# Altium PCB Bahran_pcb.PcbDoc (part 2 of 2)
Units mm, origin at the board's own origin, x right, y up, seen from the top; angles counter-clockwise.
Board outline 114.17 x 92.76 mm, 2 copper layers (Top Layer, Bottom Layer); 120 components, 74 nets, 376 pads, 645 vias.
Unrouted connection lines stored in the file: 240.
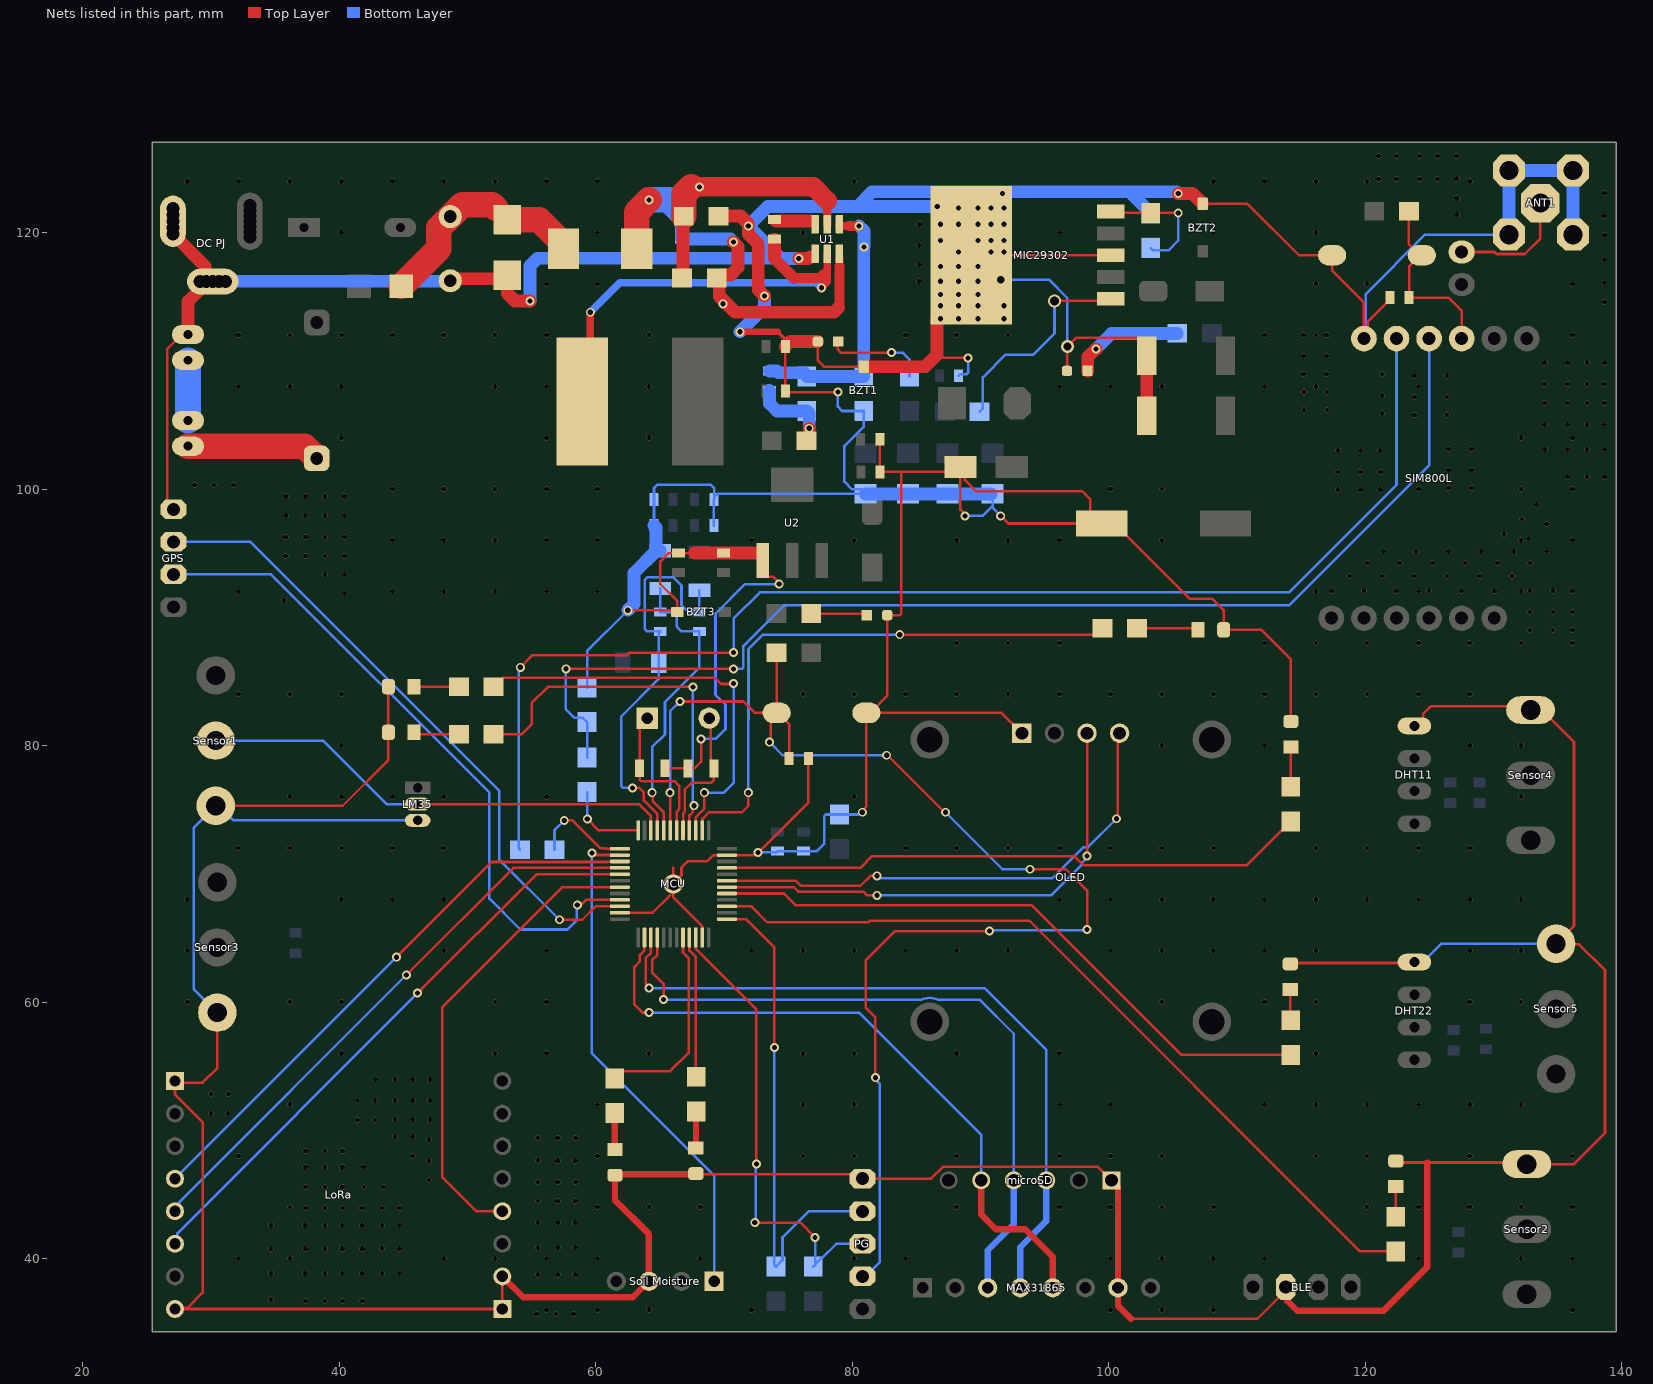
[diagram p2: the nets of this part, all layers, seen from the top]

## Via types
v1: diameter 0.4, hole 0.4, Top Layer to Bottom Layer, tented both sides, 525 vias
v2: diameter 0.7, hole 0.4, Top Layer to Bottom Layer, tented both sides, 107 vias
v3: diameter 1.5, hole 1, Top Layer to Bottom Layer, tented both sides, 5 vias
v4: diameter 1, hole 0.6, Top Layer to Bottom Layer, tented both sides, 5 vias
v5: diameter 1.27, hole 0.711, Top Layer to Bottom Layer, tented both sides, 2 vias
v6: diameter 1, hole 0.7, Top Layer to Bottom Layer, tented both sides, 1 vias

## Nets (pads, with @x,y where several pads share a name; then routed paths per layer and width w, separated by ;. In a path a pad name is that pad's centre, name@x,y a point inside that pad or via, vN(x,y) a via of type N, cw(c..) or ccw(c..) an arc to the next point about the centre after c; other vN are vias at no path point) (continued)
GND: "DC PJ.2" "DC PJ.3" "Soil Moisture.3" ANT1.1 B2.2 BLE.3 BZT1.1 BZT2.1 BZT3.1 C1.1 C2.1 C4.2 C5.2 C7.2 C8.2 C9.2 C10.2 C11.2 C12.2 C13.2 C14.2 C15.2 C16.2 C17.2 C20.2 C21.2 C22.2 C23.- C24.- C25.1 C26.1 C27.1 C28.1 CO1.2 CO2.2 D3.A D4.2 DHT11.GND DHT22.GND FB2.1 GPS.1 LED1.2 LED2.2 LED3.2 LED4.2 LED5.2 LED6.2 LED7.2 LED8.2 LED9.2 LED10.2 LED11.2 LM35.3 LoRa.1 LoRa.2 LoRa.9 LoRa.16 MAX31865.7 MCU.23 MCU.35 MCU.47 MIC29302.3 MIC29302.6 microSD.1 OLED.1 PG.1 R7.2 R8.2 R9.1 R16.2 R29.2 Sensor1.3 Sensor2.3 Sensor3.3 Sensor4.3 Sensor5.3 SIM800L.6 SW1.2 SW2.1 U1.1 U2.1 VR1.1 | length 819.1
  Top Layer w0.2: GPS.1@27.051,98.425 26.59,98.886 26.59,110.944 27.694,112.048 B2.2@28.194,112.048 ; Sensor1.3@30.353,75.311 40.259,75.311 43.815,78.867 43.815,81.018 LED5.2@43.823,81.026 LED4.2@43.823,84.603 ; Sensor3.3@30.48,59.182 30.48,54.864 29.337,53.721 27.305,53.721 LoRa.9@27.178,53.848 27.178,52.796 29.337,50.637 29.337,37.338 28.176,36.177 27.287,36.177 LoRa.16@27.178,36.068 LoRa.1@52.705,36.068 LoRa.2@52.705,38.608 ; MCU.23@61.86,66.965 64.425,66.965 65.786,68.326 ; v2(62.484,90.551) 66.222,90.551 BZT3.1@66.349,90.424 66.349,91.258 65.024,92.583 65.024,94.361 65.678,95.015 C9.2@66.447,95.015 67.691,95.015 ; CO2.2@65.405,78.232 CO1.2@67.199,78.232 67.24,78.273 67.732,78.273 68.199,78.74 v2(68.199,80.518) ; 66.04,70.485 v3@66.04,69.267 ; LED10.2@67.794,46.625 67.852,46.567 80.433,46.567 PG.1@80.772,46.228 86.139,46.228 87.066,47.155 99.149,47.155 microSD.1@100.203,46.101 ; MCU.35@68.29,65.035 68.284,65.041 68.284,65.921 66.04,68.165 v3(66.04,69.215) v3@66.04,69.267 ; v2@72.644,71.628 76.569,75.553 C20.2@76.569,78.994 ; v2(72.644,71.669) 72.55,71.669 72.346,71.465 MCU.47@70.22,71.465 69.159,71.465 68.687,70.993 67.183,70.993 66.675,70.485 66.675,69.902 v3@66.04,69.267 ; U2.1@73.011,94.43 73.011,93.58 73.411,93.18 73.816,93.18 74.295,92.701 v2(74.295,92.598) ; C4.2@74.769,111.125 C5.2@74.769,107.644 74.844,107.569 v2(78.867,107.569) ; LED1.2@77.305,111.506 77.305,110.02 77.779,109.546 BZT1.1@80.891,109.546 ; v2(80.772,74.803) 80.772,74.938 81.097,75.263 SW1.2@81.097,82.55 SW1.2@81.397,82.55 ; C11.2@82.145,103.886 82.145,101.37 C10.2@82.169,101.346 83.82,101.346 ; 86.606,110.482 86.852,110.236 v2(89.027,110.236) ; v2(88.773,97.917) 88.773,98.052 88.424,98.401 D4.2@88.424,101.727 ; MIC29302.6@89.281,118.237 MIC29302.3@100.152,118.237 ; v2(91.567,97.917) 92.164,97.32 C21.2@99.441,97.32 ; OLED.1@93.218,80.969 91.637,82.55 SW1.2@81.397,82.55 ; LED11.2@96.736,109.22 96.755,109.239 96.755,111.106 v4(96.774,111.125) 97.439,111.79 102.299,111.79 102.949,111.14 C23.-@102.949,110.39 ; 101.727,35.306 111.581,35.306 BLE.3@113.792,37.517 ; BZT2.1@107.315,122.246 110.799,122.246 114.808,118.237 SW2.1@117.404,118.237 117.404,117.038 119.888,114.554 SIM800L.6@119.888,111.738 120.173,112.023 120.173,113.038 121.92,114.785 C22.2@121.92,114.935 ; BLE.3@113.792,37.771 BLE.3@113.792,37.517 ; 113.922,36.664 113.922,37.387 BLE.3@113.792,37.517 ; LED6.2@114.149,62.976 114.221,63.048 123.754,63.048 DHT22.GND@123.825,63.119 DHT22.GND@123.642,63.302 ; LED8.2@114.197,81.883 114.197,86.717 111.887,89.027 LED3.2@108.95,89.027 108.95,90.567 108.077,91.44 106.321,91.44 100.441,97.32 C21.2@99.441,97.32 ; LED7.2@122.382,47.609 122.501,47.49 124.841,47.49 132.469,47.49 Sensor2.3@132.588,47.371 136.271,47.371 138.684,49.784 138.684,62.484 136.674,64.494 134.923,64.494 Sensor5.3@134.874,64.543 136.271,65.94 136.271,80.264 133.76,82.775 Sensor4.3@132.884,82.775 132.601,83.058 125.095,83.058 124.525,82.488 124.525,82.046 124.013,81.534 DHT11.GND@123.825,81.534 ; SW1.2@81.397,82.55 82.715,83.868 LED2.2@82.715,90.17 83.703,90.17 83.82,90.287 83.82,101.346 ; 83.82,101.346 88.043,101.346 D4.2@88.424,101.727 ; D4.2@88.424,101.727 88.773,101.378 88.773,100.701 89.652,99.822 97.927,99.822 98.552,99.197 98.552,98.209 C21.2@99.441,97.32
  Top Layer w0.3: 74.168,112.268 74.769,111.667
  Top Layer w0.5: LoRa.2@52.705,38.608 54.34,36.973 62.881,36.973 64.135,38.227 64.135,41.91 61.492,44.553 LED9.2@61.492,46.498 61.556,46.561 67.73,46.561 LED10.2@67.794,46.625 ; v2(71.247,112.268) 74.168,112.268 ; microSD.1@100.203,46.101 100.711,45.593 MAX31865.7@100.711,37.719 100.711,36.322 101.727,35.306 ; 113.922,36.664 113.958,36.664 114.681,35.941 121.412,35.941 124.841,39.37 124.841,47.49
  Top Layer w1: 27.02,120.885 27.02,119.885 29.524,117.381 29.524,116.281 29.62,116.185 29.62,116.05 28.194,114.624 B2.2@28.194,112.048 ; VR1.1@48.641,116.245 48.794,116.398 52.804,116.398 D3.A@53.086,116.68 53.086,115.267 53.672,114.681 v2(54.864,114.681) ; 67.691,95.015 C8.2@69.951,95.015 73.011,95.015 U2.1@73.011,94.43 ; R7.2@69.549,121.285 71.296,121.285 71.882,120.699 v2(71.882,120.523) 71.882,119.901 72.66,119.123 72.66,118.857 72.66,115.538 v2(73.152,115.046) ; C4.2@74.769,111.125 75.15,111.506 LED1.2@77.305,111.506 ; v2(75.819,117.983) 76.581,117.983 76.708,118.11 ; BZT1.1@80.891,109.546 85.67,109.546 86.606,110.482 86.606,113.337 86.934,113.665 MIC29302.6@86.995,113.665 ; MIC29302.6@86.733,113.665 86.868,113.8 86.868,115.697 MIC29302.6@87.185,116.014 ; MIC29302.6@86.995,116.205 87.312,116.522 87.694,116.522 88.646,117.475 88.646,117.602 MIC29302.6@89.281,118.237 ; C24.-@102.949,105.725 C23.-@102.949,110.39 ; v2(105.41,123.063) 106.498,123.063 BZT2.1@107.315,122.246
  Bottom Layer w0.2: Sensor3.3@30.48,59.182 28.626,61.036 28.626,73.584 Sensor1.3@30.353,75.311 30.613,75.311 31.756,74.168 LM35.3@46.101,74.168 ; R29.2@59.309,84.532 59.309,87.376 v2(62.484,90.551) ; C13.2@64.528,97.155 C15.2@64.528,99.187 64.528,100.088 64.77,100.33 68.961,100.33 69.215,100.076 C14.2@69.215,99.349 ; v2(68.199,80.518) 69.342,80.518 70.104,81.28 70.104,83.185 69.327,83.962 69.327,90.282 71.643,92.598 v2(74.295,92.598) ; C16.2@69.203,97.155 C14.2@69.203,99.187 69.215,99.199 C14.2@69.215,99.349 ; v2(72.644,71.669) 73.988,71.669 74.029,71.628 C12.2@74.168,71.767 C17.2@76.2,71.767 77.228,71.767 77.793,72.332 77.793,74.491 77.931,74.629 R16.2@78.994,74.629 80.463,74.629 80.637,74.803 v2(80.772,74.803) ; v2(78.867,107.569) 78.867,106.426 79.201,106.092 R8.2@80.891,106.092 80.891,104.894 79.375,103.378 79.375,100.584 79.98,99.979 80.678,99.979 C28.1@81.026,99.632 69.498,99.632 C14.2@69.215,99.349 ; C7.2@88.282,108.839 88.409,108.966 88.9,108.966 89.027,109.093 v2(89.027,110.236) ; v2(88.773,97.917) 90.149,97.917 90.932,98.7 ; C25.1@90.83,99.632 C25.1@90.932,99.632 90.932,98.7 ; v2(91.567,97.917) 90.932,98.552 90.932,98.7 ; v4(91.567,116.332) 95.315,116.332 96.765,114.882 v4@96.765,110.974 ; SIM800L.6@119.888,111.738 120.015,111.865 120.015,115.189 124.667,119.841 ANT1.1@131.191,119.841 ; DHT22.GND@123.825,63.119 124.479,63.119 125.903,64.543 Sensor5.3@134.874,64.543
  Bottom Layer w1: 29.12,116.185 29.15,116.215 48.611,116.215 VR1.1@48.641,116.245 ; v2(54.864,114.681) 54.864,117.421 55.45,118.007 C2.1@69.469,118.007 74.398,118.007 ; v2(62.484,90.551) 62.966,91.033 62.966,93.468 FB2.1@64.699,95.201 ; C13.2@64.528,97.155 64.674,97.009 64.674,95.226 FB2.1@64.699,95.201 ; FB2.1@65.024,95.201 FB2.1@64.699,95.201 ; v2(71.247,112.268) 73.152,114.173 v2(73.152,115.046) ; v2(75.819,117.983) 74.422,117.983 74.398,118.007 ; C28.1@81.026,99.632 C27.1@84.328,99.632 C26.1@87.426,99.632 C25.1@90.83,99.632 ; v2(86.614,122.047) 80.391,122.047 ; R9.1@103.251,121.492 103.251,121.542 101.603,123.19 ; v2(105.41,123.063) 105.283,123.19 101.603,123.19 ; ANT1.1@131.191,119.841 ANT1.1@131.191,124.841 ANT1.1@136.191,124.841 ANT1.1@136.191,119.841 ; 74.398,118.007 v2(71.882,120.523) 73.406,122.047 80.391,122.047 ; 80.391,122.047 81.534,123.19 101.603,123.19
  other v1: 55.372,35.687 56.896,35.687 58.259,35.687 56.138,36.01 60.138,36.01 64.138,36.01 72.138,36.01 100.138,36.01 104.138,36.01 108.138,36.01 136.138,36.01 37.338,36.703 38.862,36.703 40.225,36.703 41.783,36.703 34.671,36.83 55.499,38.735 57.023,38.735 58.386,38.735 34.671,38.827 37.338,38.827 38.862,38.827 40.225,38.827 41.783,38.827 43.307,38.827 44.67,38.827 32.138,40.01 36.138,40.01 48.138,40.01 52.138,40.01 56.138,40.01 60.138,40.01 68.138,40.01 80.138,40.01 84.138,40.01 100.138,40.01 104.138,40.01 108.138,40.01 112.138,40.01 124.138,40.01 132.138,40.01 136.138,40.01 34.671,40.767 37.338,40.767 38.862,40.767 40.225,40.767 41.783,40.767 43.307,40.767 44.67,40.767 55.499,40.859 57.023,40.859 58.386,40.859 34.671,42.58 37.338,42.58 38.862,42.58 40.225,42.58 41.783,42.58 43.307,42.58 44.67,42.58 55.499,42.799 57.023,42.799 58.386,42.799 37.338,43.942 38.862,43.942 40.225,43.942 41.783,43.942 43.307,43.942 44.67,43.942 36.138,44.01 60.138,44.01 64.138,44.01 68.138,44.01 88.138,44.01 96.138,44.01 100.138,44.01 104.138,44.01 108.138,44.01 120.138,44.01 124.138,44.01 128.138,44.01 132.138,44.01 136.138,44.01 55.499,44.485 57.023,44.485 58.386,44.485 37.338,45.593 38.862,45.593 40.225,45.593 41.91,45.593 43.434,45.593 55.499,45.974 57.023,45.974 58.386,45.974 46.99,46.136 37.338,47.117 38.862,47.117 40.225,47.117 41.876,47.117 46.99,47.625 55.499,47.625 57.023,47.625 58.386,47.625 32.138,48.01 45.72,48.006 60.138,48.01 76.138,48.01 80.138,48.01 88.138,48.01 96.138,48.01 100.138,48.01 104.138,48.01 116.138,48.01 120.138,48.01 128.138,48.01 136.138,48.01 37.338,48.387 38.862,48.387 40.225,48.387 46.99,49.276 55.499,49.403 57.023,49.403 58.386,49.403 44.323,49.53 45.72,49.53 41.402,50.8 42.764,50.8 44.323,50.835 45.72,50.835 47.083,50.835 29.972,51.308 31.334,51.308 36.138,52.01 60.138,52.01 76.138,52.01 80.138,52.01 96.138,52.01 100.138,52.01 112.138,52.01 116.138,52.01 120.138,52.01 124.138,52.01 128.138,52.01 132.138,52.01 41.402,52.324 42.764,52.324 44.323,52.324 45.72,52.324 47.083,52.324 29.972,52.832 31.334,52.832 42.799,53.975 44.323,53.975 45.72,53.975 47.083,53.975 40.138,56.01 52.138,56.01 56.138,56.01 64.138,56.01 76.138,56.01 80.138,56.01 88.138,56.01 96.138,56.01 116.138,56.01 28.138,60.01 36.138,60.01 40.138,60.01 52.138,60.01 56.138,60.01 104.138,60.01 112.138,60.01 116.138,60.01 128.138,60.01 132.138,60.01 28.138,64.01 48.138,64.01 56.138,64.01 72.138,64.01 76.138,64.01 80.138,64.01 84.138,64.01 88.138,64.01 92.138,64.01 100.138,64.01 104.138,64.01 108.138,64.01 112.138,64.01 116.138,64.01 128.138,64.01 132.138,64.01 28.138,68.01 40.138,68.01 44.138,68.01 48.138,68.01 96.138,68.01 100.138,68.01 104.138,68.01 108.138,68.01 112.138,68.01 116.138,68.01 120.138,68.01 124.138,68.01 128.138,68.01 132.138,68.01 32.138,72.01 36.138,72.01 40.138,72.01 44.138,72.01 48.138,72.01 84.138,72.01 88.138,72.01 92.138,72.01 96.138,72.01 100.138,72.01 104.138,72.01 108.138,72.01 116.138,72.01 120.138,72.01 124.138,72.01 128.138,72.01 36.138,76.01 40.138,76.01 44.138,76.01 48.138,76.01 56.138,76.01 80.138,76.01 132.138,76.01 40.138,80.01 104.138,80.01 112.138,80.01 128.138,80.01 132.138,80.01 32.138,84.01 36.138,84.01 40.138,84.01 76.138,84.01 80.138,84.01 84.138,84.01 88.138,84.01 92.138,84.01 96.138,84.01 100.138,84.01 104.138,84.01 108.138,84.01 112.138,84.01 116.138,84.01 120.138,84.01 124.138,84.01 128.138,84.01 88.138,88.01 92.138,88.01 96.138,88.01 112.138,88.01 116.138,88.01 120.138,88.01 124.138,88.01 128.138,88.01 132.138,88.01 136.138,88.01 132.842,89.027 134.62,89.027 136.144,89.027 132.842,90.424 134.62,90.424 136.144,90.424 35.687,91.313 40.386,91.856 32.138,92.01 44.138,92.01 48.138,92.01 52.138,92.01 56.138,92.01 60.138,92.01 116.138,92.01 124.138,92.01 132.138,92.01 117.348,92.075 119.888,92.075 122.428,92.075 124.968,92.075 127.508,92.075 130.048,92.075 132.842,92.075 134.62,92.075 136.144,92.075 118.745,93.218 121.285,93.218 123.825,93.218 126.365,93.218 128.905,93.218 131.445,93.218 38.862,93.345 40.386,93.345 120.142,94.234 122.682,94.234 125.222,94.234 127.762,94.234 130.302,94.234 132.842,94.234 35.814,94.777 37.338,94.777 38.862,94.777 40.386,94.777 121.412,95.123 123.952,95.123 126.492,95.123 129.032,95.123 131.572,95.123 134.112,95.123 44.138,96.01 48.138,96.01 52.138,96.01 56.138,96.01 60.138,96.01 72.138,96.01 80.138,96.01 88.138,96.01 92.138,96.01 96.138,96.01 104.138,96.01 132.138,96.01 136.138,96.01 132.715,96.139 35.814,96.266 37.338,96.266 38.862,96.266 40.386,96.266 130.81,96.52 134.112,97.282 132.207,97.663 35.814,97.952 37.338,97.952 38.862,97.952 40.386,97.952 133.35,98.806 35.814,99.441 37.338,99.441 38.862,99.441 40.386,99.441 117.856,99.949 119.634,99.949 121.158,99.949 44.138,100.01 48.138,100.01 52.138,100.01 56.138,100.01 60.138,100.01 100.138,100.01 104.138,100.01 124.138,100.01 132.138,100.01 136.138,100.01 126.492,100.076 128.27,100.076 28.702,100.33 30.226,100.33 31.75,100.33 135.763,100.965 137.287,100.965 138.65,100.965 117.856,101.346 119.634,101.346 121.158,101.346 126.492,101.473 128.27,101.473 117.856,102.997 119.634,102.997 121.158,102.997 133.985,103.089 135.763,103.089 137.287,103.089 138.65,103.089 126.492,103.124 128.27,103.124 40.138,104.01 56.138,104.01 64.138,104.01 132.138,104.01 136.138,104.01 133.985,105.029 135.763,105.029 137.287,105.029 138.65,105.029 123.825,105.791 126.365,105.791 121.285,105.918 115.225,106.166 117.003,106.166 133.985,106.715 135.763,106.715 137.287,106.715 138.65,106.715 123.825,107.188 126.365,107.188 121.285,107.315 115.225,107.563 117.003,107.563 32.138,108.01 36.138,108.01 40.138,108.01 52.138,108.01 56.138,108.01 64.138,108.01 96.138,108.01 100.138,108.01 104.138,108.01 112.138,108.01 116.138,108.01 124.138,108.01 133.985,108.204 135.763,108.204 137.287,108.204 138.65,108.204 123.825,108.839 126.365,108.839 115.189,108.966 116.967,108.966 121.285,108.966 133.985,109.855 135.763,109.855 137.287,109.855 138.65,109.855 115.189,110.363 116.967,110.363 32.138,112.01 36.138,112.01 40.138,112.01 44.138,112.01 48.138,112.01 52.138,112.01 56.138,112.01 64.138,112.01 84.138,112.01 88.138,112.01 92.138,112.01 112.138,112.01 115.189,112.014 116.138,112.01 116.967,112.014 136.138,112.01 86.868,113.284 88.265,113.284 89.789,113.284 91.821,113.284 86.868,114.3 88.265,114.3 89.789,114.3 91.821,114.3 138.65,114.589 86.868,115.189 88.265,115.189 89.789,115.189 56.138,116.01 60.138,116.01 116.138,116.01 120.138,116.01 136.138,116.01 138.65,116.113 85.217,116.205 86.868,116.205 88.265,116.205 89.789,116.205 86.868,117.348 88.265,117.348 89.789,117.348 85.217,117.51 138.65,117.891 88.265,118.491 90.805,118.491 91.821,118.491 85.217,118.999 86.868,119.38 89.789,119.38 90.805,119.38 91.821,119.38 138.65,119.796 40.138,120.01 60.138,120.01 76.138,120.01 96.138,120.01 108.138,120.01 116.138,120.01 85.217,120.65 86.868,120.65 88.265,120.65 89.789,120.65 90.805,120.65 91.821,120.65 138.65,121.32 127.127,121.412 88.265,121.92 89.789,121.92 90.805,121.92 91.821,121.92 127.127,122.682 91.694,123.063 138.65,123.098 28.138,124.01 32.138,124.01 36.138,124.01 40.138,124.01 44.138,124.01 48.138,124.01 52.138,124.01 56.138,124.01 60.138,124.01 80.138,124.01 108.138,124.01 112.138,124.01 116.138,124.01 120.138,124.01 128.138,124.01 121.032,124.192 122.429,124.192 124.207,124.192 125.604,124.192 127.127,124.206 121.032,125.97 122.429,125.97 124.207,125.97 125.604,125.97 127.127,125.984
GPS_RX: GPS.3 MCU.21 | length 52.7
  Top Layer w0.2: v2(58.547,67.564) 58.643,67.66 58.93,67.66 59.236,67.965 MCU.21@61.86,67.965
  Bottom Layer w0.2: GPS.3@27.051,93.345 34.671,93.345 51.689,76.327 51.689,68.072 54.102,65.659 57.785,65.659 58.512,66.386 58.512,67.529 v2(58.547,67.564)
GPS_TX: GPS.2 MCU.22 | length 50.6
  Top Layer w0.2: v2(57.15,66.421) 58.935,66.421 59.985,67.471 61.854,67.471 MCU.22@61.86,67.465
  Bottom Layer w0.2: GPS.2@27.051,95.885 33.061,95.885 52.451,76.495 52.451,71.12 v2(57.15,66.421)
LED1: MCU.2 R11.1 | length 45.4
  Top Layer w0.2: MCU.2@68.29,73.395 68.296,73.401 68.296,74.281 68.818,74.803 71.374,74.803 71.882,75.311 v2(71.882,76.327) ; v2(83.693,88.646) 98.98,88.646 R11.1@99.488,89.154
  Bottom Layer w0.2: v2(71.882,76.327) 71.882,82.03 71.901,82.049 71.901,87.522 73.025,88.646 v2(83.693,88.646)
LED2: MCU.3 R12.1 | length 32.8
  Top Layer w0.2: R12.1@52.015,84.579 52.065,84.579 52.772,85.286 69.273,85.286 69.754,84.805 70.708,84.805 v2(70.739,84.836) ; MCU.3@67.79,73.395 67.796,73.401 67.796,74.423 68.453,75.08 v2(68.453,76.327)
  Bottom Layer w0.2: v2(68.453,76.327) 69.977,76.327 70.739,77.089 v2(70.739,84.836)
LED3: MCU.4 R15.1 | length 29.4
  Top Layer w0.2: R15.1@52.015,80.899 54.229,80.899 54.991,81.661 54.991,83.312 56.261,84.582 v2(67.564,84.582) ; MCU.4@67.29,73.395 67.29,74.559 67.552,74.821 67.552,75.215 v2(67.648,75.311)
  Bottom Layer w0.2: v2(67.564,84.582) 67.549,84.567 67.549,75.545 67.648,75.446 v2(67.648,75.311)
LED_DHT11: MCU.45 R25.1 | length 46.1
  Top Layer w0.2: MCU.45@70.22,70.465 80.625,70.465 81.534,71.374 97.313,71.374 97.372,71.315 98.006,70.681 110.766,70.681 113.498,73.413 113.548,73.413 114.173,74.038 R25.1@114.173,74.088
LED_DHT22: MCU.41 R26.1 | length 49.2
  Top Layer w0.2: MCU.41@70.22,68.465 74.664,68.465 75.565,67.564 93.98,67.564 105.664,55.88 R26.1@114.173,55.88
LED_DS18B20: MCU.39 R24.1 | length 63.4
  Top Layer w0.2: MCU.39@70.22,67.465 70.226,67.459 72.121,67.459 73.355,66.225 81.242,66.225 81.375,66.358 93.789,66.358 119.583,40.564 R24.1@122.358,40.564
LED_LoRaR: MCU.33 R32.2 | length 11.1
  Top Layer w0.2: MCU.33@67.29,65.035 67.29,64.013 67.796,63.507 67.796,54.204 R32.2@67.818,54.182
LED_LoRaS: MCU.32 R31.2 | length 15.8
  Top Layer w0.2: R31.2@61.468,54.055 62.023,54.61 65.786,54.61 67.252,56.076 67.252,63.409 66.79,63.871 MCU.32@66.79,65.035
LM35: LM35.2 MCU.10 Sensor1.2 | length 37.5
  Top Layer w0.2: LM35.2@46.101,75.438 63.373,75.438 64.29,74.521 MCU.10@64.29,73.395
  Bottom Layer w0.2: Sensor1.2@30.353,80.391 38.735,80.391 43.688,75.438 LM35.2@46.101,75.438
MISO: MAX31865.4 MCU.27 microSD.3 | length 56.5
  Top Layer w0.2: v2(64.135,61.087) 64.135,61.2 63.881,61.454 63.881,63.422 64.284,63.825 64.284,65.029 MCU.27@64.29,65.035
  Bottom Layer w0.2: v2@64.262,61.087 90.297,61.087 95.123,56.261 microSD.3@95.123,46.101
  Bottom Layer w0.5: MAX31865.4@93.091,37.719 93.091,40.894 95.123,42.926 microSD.3@95.123,46.101
MISO_LoRa: LoRa.13 MCU.16 | length 46
  Top Layer w0.2: v2(45.212,62.103) 53.574,70.465 MCU.16@61.86,70.465
  Bottom Layer w0.2: LoRa.13@27.178,43.688 27.178,44.012 27.494,44.327 27.494,44.385 v2(45.212,62.103)
MOSI: MAX31865.3 MCU.28 microSD.4 | length 54.2
  Top Layer w0.2: MCU.28@64.79,64.764 64.79,63.689 64.389,63.288 64.389,62.3 65.278,61.411 v2(65.278,60.198)
  Bottom Layer w0.2: v2(65.278,60.198) 85.359,60.198 cw(c86.028,58.469) 86.697,60.198 89.916,60.198 89.975,60.139 92.583,57.531 microSD.4@92.583,46.101
  Bottom Layer w0.5: MAX31865.3@90.551,37.719 90.551,40.64 92.583,42.672 microSD.4@92.583,46.101
MOSI_LoRa: LoRa.14 MCU.17 | length 47
  Top Layer w0.2: v2(46.101,60.706) 55.36,69.965 MCU.17@61.86,69.965
  Bottom Layer w0.2: LoRa.14@27.178,41.148 27.367,41.337 27.367,41.972 v2(46.101,60.706)
NetANT1_2: ANT1.2 JP1.2 | length 9.5
  Top Layer w0.2: JP1.2@127.508,118.491 130.064,118.491 130.224,118.331 132.428,118.331 133.651,119.554 ANT1.2@133.651,122.301
NetB1_1: B1.1 DP1.1 | length 11.2
  Top Layer w0.2: DP1.1@37.685,101.854 DP1.1@38.227,102.396
  Top Layer w2: B1.1@28.194,103.344 37.279,103.344 DP1.1@38.227,102.396
NetB1_2: B1.2 B2.1 | length 4.7
  Bottom Layer w2: B1.2@28.194,105.344 B2.1@28.194,110.048
NetC1_2: C1.2 C2.2 D2.2 R3.1 U1.3 | length 32.9
  Top Layer w0.6: 78.988,117.342 U1.3@78.988,118.015
  Top Layer w0.8: 78.929,114.167 78.988,114.226 78.988,117.342
  Top Layer w1: v2(70.731,119.261) 71.088,118.904 71.088,117.27 70.502,116.684 69.647,116.684 R3.1@69.422,116.459 69.621,116.26 69.621,115.037 70.866,113.792 78.554,113.792 78.929,114.167
  Top Layer w2: D2.2@63.175,118.745 63.175,121.595 v2(64.135,122.555)
  Bottom Layer w1: 66.675,121.539 C1.2@66.675,119.507 70.485,119.507 v2(70.731,119.261)
  Bottom Layer w2: v2(64.135,122.555) 65.659,122.555 66.675,121.539
  other v2: 69.911,114.45
NetC3_1: C3.1 U1.6 | length 3.3
  Top Layer w0.6: 76.708,120.904 77.084,120.904 77.089,120.899 U1.6@77.089,120.65
  Top Layer w1: C3.1@74.029,120.904 76.708,120.904
NetC3_2: C3.2 L1.1 U1.2 | length 35.2
  Top Layer w0.6: L1.1@58.945,106.837 59.563,107.455 v2(59.563,113.792) ; v2(77.597,115.697) 77.597,115.724 78.034,116.161 78.034,118.335 U1.2@78.039,118.34
  Top Layer w0.8: 75.438,116.459 77.47,116.459 77.724,116.713
  Top Layer w0.9: 73.914,117.983 75.438,116.459
  Top Layer w1: 73.914,117.983 C3.2@73.914,119.48
  Bottom Layer w0.6: v2(59.563,113.792) 61.871,116.1 77.167,116.1 77.57,115.697 v2(77.597,115.697)
NetC6_1: C6.1 R1.1 R4.1 | length 6.7
  Top Layer w1: R1.1@76.407,103.759 76.632,103.984 v2(76.632,104.742)
  Bottom Layer w1: C6.1@73.533,107.7 73.533,106.678 74.119,106.092 R4.1@76.454,106.092 76.632,105.914 v2(76.632,104.742)
NetC6_2: C6.2 R4.2 R8.1 U1.4 | length 21.1
  Top Layer w0.6: U1.4@78.989,120.65 78.989,120.528 78.994,120.523 79.756,120.523
  Top Layer w0.8: 79.756,120.523 v2(80.518,120.523)
  Bottom Layer w1: C6.2@73.533,109.2 74.096,109.2 74.229,109.067 76.229,109.067 76.454,108.842 R4.2@76.454,108.792 R8.1@80.891,108.792 80.891,114.831 80.891,118.864 v2(80.899,118.872) 80.899,120.142 v2(80.518,120.523)
NetD2_1: D2.1 D3.C F1.2 VR1.2 | length 17.9
  Top Layer w1: D3.C@52.191,121.905 52.446,121.65 52.526,121.65 53.086,121.09 D3.C@53.086,121.01 ; D2.1@57.475,118.745 D2.1@57.475,119.095
  Top Layer w2: F1.2@44.83,115.824 47.752,118.746 47.752,120.356 VR1.2@48.641,121.245 49.57,122.174 51.922,122.174 D3.C@52.191,121.905 ; D3.C@53.086,121.01 55.56,121.01 D2.1@57.475,119.095
NetLED1_1: LED1.1 R2.1 | length 8
  Top Layer w0.2: LED1.1@78.867,111.722 LED1.1@78.905,111.76 ; LED1.1@78.905,111.506 78.867,111.468 78.867,110.871 79.121,110.617 83.025,110.617 v2(83.058,110.65)
  Bottom Layer w0.2: v2(83.058,110.65) 83.091,110.617 83.947,110.617 84.455,110.109 R2.1@84.455,108.792
NetLED2_1: LED2.1 R10.1 | length 4.4
  Top Layer w0.2: R10.1@76.788,90.297 80.988,90.297 LED2.1@81.115,90.17
NetLED3_1: LED3.1 R11.2 | length 4.8
  Top Layer w0.2: R11.2@102.188,89.154 106.823,89.154 LED3.1@106.95,89.027
NetLED4_1: LED4.1 R12.2 | length 3.5
  Top Layer w0.2: LED4.1@45.823,84.603 49.291,84.603 R12.2@49.315,84.579
NetLED5_1: LED5.1 R15.2 | length 3.5
  Top Layer w0.2: LED5.1@45.823,81.026 45.95,80.899 R15.2@49.315,80.899
NetLED6_2: LED6.1 R26.2 | length 2.4
  Top Layer w0.2: LED6.1@114.149,60.976 114.149,58.652 114.197,58.604 R26.2@114.173,58.58
NetLED7_1: LED7.1 R24.2 | length 2.4
  Top Layer w0.2: R24.2@122.358,43.264 122.382,43.288 LED7.1@122.382,45.609
NetLED8_1: LED8.1 R25.2 | length 3.1
  Top Layer w0.2: R25.2@114.173,76.788 114.173,79.859 LED8.1@114.197,79.883
NetLED9_1: LED9.1 R31.1 | length 2.9
  Top Layer w0.5: R31.1@61.468,51.355 61.48,51.343 61.48,48.51 LED9.1@61.492,48.498
NetLED10_1: LED10.1 R32.1 | length 2.9
  Top Layer w0.5: LED10.1@67.794,48.625 67.806,48.637 67.806,51.47 R32.1@67.818,51.482
NetLED11_1: LED11.1 R33.1 | length 8.8
  Top Layer w1: LED11.1@98.358,109.22 98.358,110.296 v2(98.998,110.936)
  Bottom Layer w1: v2(98.998,110.936) 100.203,112.141 R33.1@105.33,112.141
NetMIC29302_1: MIC29302.1 R5.1 | length 16.8
  Top Layer w0.2: v6(95.758,114.681) 100,114.681 MIC29302.1@100.152,114.833
  Bottom Layer w0.2: R5.1@89.916,106.045 90.17,106.299 90.17,108.712 91.948,110.49 94.107,110.49 95.758,112.141 v6(95.758,114.681)
NetMIC29302_5: MIC29302.5 R6.1 R9.2 | length 10
  Top Layer w0.2: MIC29302.5@100.152,121.641 100.254,121.539 v2(105.41,121.539)
  Bottom Layer w0.2: R9.2@103.251,118.792 103.425,118.618 104.648,118.618 105.41,119.38 v2(105.41,121.539)
NetR3_2: R3.2 R7.1 U1.5 | length 20.3
  Top Layer w0.7: U1.5@78.039,120.65 78.039,122.494
  Top Layer w1: R3.2@66.722,116.459 66.786,116.522 66.786,121.221 R7.1@66.849,121.285
  Top Layer w1.5: 67.435,123.571 76.962,123.571 78.039,122.494
  Top Layer w2: R7.1@66.849,121.285 66.849,122.985 67.435,123.571
  other v2: 68.072,123.571
NetR27_1: R27.1 R29.1 SIM800L.4 | length 92.7
  Top Layer w0.2: v2(57.658,85.99) 57.664,85.985 70.733,85.985 v2(70.739,85.979)
  Bottom Layer w0.2: v2(57.658,85.99) 57.658,82.826 58.315,82.169 58.972,82.169 R29.1@59.309,81.832 R27.1@59.309,79.074 ; v2(70.739,85.979) 71.384,85.979 71.501,86.096 71.501,87.764 74.669,90.932 114.046,90.932 124.968,101.854 SIM800L.4@124.968,111.738
NetR28_2: R28.2 SIM800L.5 | length 101.4
  Top Layer w0.2: v2(54.102,86.106) 55.026,87.03 62.385,87.03 62.604,87.249 v2(70.739,87.249)
  Bottom Layer w0.2: v2@53.975,86.106 53.975,71.976 R28.2@54.069,71.882 ; v2(70.739,87.249) 70.739,89.896 72.791,91.948 114.046,91.948 122.428,100.33 SIM800L.5@122.428,111.738
NRST: C20.1 MCU.7 PG.4 R17.2 SW1.1 | length 106.2
  Top Layer w0.2: v2(65.786,76.327) 65.788,76.325 65.788,73.397 MCU.7@65.79,73.395 ; v2(66.548,83.439) 71.501,83.439 72.39,82.55 SW1.1@74.097,82.55 ; v2(73.533,80.264) 73.629,80.36 73.629,82.082 SW1.1@74.097,82.55 ; R17.2@74.088,87.249 74.097,87.24 SW1.1@74.097,82.55 ; C20.1@75.069,78.994 75.069,81.666 74.185,82.55 SW1.1@74.097,82.55 ; v2(81.788,54.102) 81.788,58.805 81.026,59.567 81.026,63.246 83.312,65.532 v2(90.678,65.532) ; v2(82.677,79.248) 82.74,79.248 87.185,74.803 v2(87.249,74.803) ; v2(93.853,70.358) 96.647,70.358 98.298,68.707 v2(98.298,65.659)
  Bottom Layer w0.2: v2(65.786,76.327) 65.786,82.677 v2(66.548,83.439) ; v2(73.533,80.264) 74.549,79.248 v2(82.677,79.248) ; PG.4@80.772,38.608 81.026,38.608 82.142,39.724 82.142,53.613 81.788,53.967 v2(81.788,54.102) ; v2(87.249,74.803) 91.694,70.358 v2(93.853,70.358) ; v2(90.678,65.532) 90.742,65.596 98.234,65.596 v2(98.298,65.659)
OLED_SCL: MCU.42 OLED.3 | length 39.3
  Top Layer w0.2: MCU.42@70.22,68.965 75.427,68.965 75.789,68.603 80.876,68.603 81.153,68.326 v2(81.915,68.326) ; v2(98.298,71.385) OLED.3@98.298,80.969
  Bottom Layer w0.2: v2(81.915,68.326) 95.504,68.326 97.9,70.722 97.9,70.864 98.298,71.261 v2(98.298,71.385)
OLED_SDA: MCU.43 OLED.4 | length 39.4
  Top Layer w0.2: MCU.43@70.485,69.471 75.563,69.471 75.977,69.057 80.614,69.057 81.401,69.844 81.909,69.844 v2(81.915,69.85) ; v2(100.584,74.295) 100.68,74.391 100.68,80.811 OLED.4@100.838,80.969
  Bottom Layer w0.2: v2(81.915,69.85) 82.05,69.85 82.246,69.654 95.571,69.654 98.006,72.089 98.378,72.089 v2(100.584,74.295)
OSC_IN: CO1.1 MCU.5 Y1.2 | length 10.8
  Top Layer w0.2: MCU.5@66.79,73.395 66.796,73.401 66.796,74.707 66.944,74.855 66.944,76.596 67.437,77.089 68.961,77.089 69.199,77.327 CO1.1@69.199,78.232 68.949,78.482 68.949,82.022 Y1.2@68.834,82.137
OSC_OUT: CO2.1 MCU.6 Y1.1 | length 11.9
  Top Layer w0.2: Y1.1@64.008,82.137 63.405,81.534 63.405,77.348 63.522,77.231 66.12,77.231 66.49,76.861 66.49,75.043 66.382,74.935 66.382,74.911 66.29,74.819 MCU.6@66.29,73.395
rst_LoRa: LoRa.4 MCU.19 | length 36.8
  Top Layer w0.2: LoRa.4@52.705,43.688 50.673,43.688 48.006,46.355 48.006,59.563 57.402,68.959 61.854,68.959 MCU.19@61.86,68.965
RST_SIM: C22.1 R30.1 SIM800L.3 SW2.2 | length 14.3
  Top Layer w0.2: R30.1@123.397,121.666 123.397,119.086 124.246,118.237 SW2.2@124.292,118.237 ; SW2.2@124.404,118.237 SW2.2@124.292,118.237 ; SIM800L.3@127.508,111.738 127.508,113.919 126.492,114.935 C22.1@123.42,114.935 123.42,117.365 SW2.2@124.292,118.237
RX_SIM->TX_MCU: MCU.12 R27.2 | length 6.4
  Top Layer w0.2: v2(59.328,74.276) 60.209,73.395 MCU.12@63.29,73.395
  Bottom Layer w0.2: R27.2@59.309,76.374 59.309,74.295 v2(59.328,74.276)
SCK_LoRa: LoRa.12 MCU.15 | length 44.9
  Top Layer w0.2: v2(44.45,63.5) 51.874,70.924 60.939,70.924 60.974,70.959 61.854,70.959 MCU.15@61.86,70.965
  Bottom Layer w0.2: LoRa.12@27.178,46.228 v2(44.45,63.5)
SCLK: MAX31865.5 MCU.26 microSD.5 | length 52.4
  Top Layer w0.2: MCU.26@63.79,65.035 63.784,65.029 63.784,64.039 63.427,63.682 63.427,63.185 62.992,62.75 62.992,59.817 63.621,59.188 64.129,59.188 v2(64.135,59.182)
  Top Layer w0.5: microSD.5@90.043,46.101 90.043,43.434 91.186,42.291 93.472,42.291 95.631,40.132 MAX31865.5@95.631,37.719
  Bottom Layer w0.2: v2(64.135,59.182) 80.518,59.182 90.043,49.657 microSD.5@90.043,46.101
Soil_Moisture: "Soil Moisture.1" MCU.14 | length 39.6
  Top Layer w0.2: v2(59.69,71.628) 59.825,71.628 59.982,71.471 61.854,71.471 MCU.14@61.86,71.465
  Bottom Layer w0.2: v2(59.69,71.628) 59.69,56.007 69.215,46.482 69.215,38.227
SWCLK: MCU.37 PG.2 R14.2 | length 39.1
  Top Layer w0.2: MCU.37@70.22,66.465 71.711,66.465 73.914,64.262 v2(73.914,56.446)
  Bottom Layer w0.2: v2(73.914,56.446) 73.914,39.497 R14.2@74.041,39.37 74.549,39.878 74.549,41.656 76.581,43.688 PG.2@80.772,43.688
SWDIO: MCU.34 PG.3 R13.2 | length 36.1
  Top Layer w0.2: MCU.34@67.79,65.035 67.796,65.029 67.796,64.149 72.517,59.428 v2(72.517,47.371) ; v2(72.39,42.799) 75.946,42.799 v2(77.089,41.656)
  Bottom Layer w0.2: v2(72.39,42.799) 72.453,42.862 72.453,47.307 v2(72.517,47.371) ; R13.2@76.962,39.37 77.089,39.497 R13.2@77.089,39.547 ; v2(77.089,41.656) R13.2@77.089,39.547 ; PG.3@80.772,41.148 78.74,41.148 77.637,40.045 77.587,40.045 R13.2@77.089,39.547
TX_SIM->RX_MCU: MCU.13 R28.1 | length 7.8
  Top Layer w0.2: v2(57.531,74.168) 58.166,74.168 60.354,71.98 60.756,71.98 60.777,71.959 61.854,71.959 MCU.13@61.86,71.965
  Bottom Layer w0.2: R28.1@56.769,71.882 56.769,73.406 v2(57.531,74.168)
VDDA: C18.1 C19.1 FB1.2 L2.2 MCU.9 | length 31.9
  Top Layer w0.2: v2(62.865,76.708) 62.871,76.702 63.379,76.702 63.739,76.342 63.739,75.72 64.79,74.669 MCU.9@64.79,73.395
  Bottom Layer w0.2: v2(62.865,76.708) 62.864,76.709 62.093,76.709 61.976,76.827 61.976,82.257 64.897,85.178 L2.2@64.897,86.487 64.897,88.785 C18.1@65.024,88.912 63.996,88.912 63.82,89.088 63.82,92.923 64.027,93.13 66.021,93.13 66.675,92.476 66.675,90.932 67.207,90.4 C19.1@68.072,90.4 FB1.2@68.072,92.124
VSSA: C18.2 C19.2 FB2.2 MCU.8 | length 23.4
  Top Layer w0.2: v2(64.389,76.327) 64.424,76.292 64.424,75.677 65.284,74.817 65.284,73.401 MCU.8@65.29,73.395
  Bottom Layer w0.2: v2(64.389,76.327) 64.389,79.883 65.386,80.88 65.386,83.4 68.072,86.086 C19.2@68.072,88.9 66.686,88.9 66.294,89.292 66.294,90.043 65.925,90.412 C18.2@65.024,90.412 FB2.2@65.024,92.251
pads on no net: "Soil Moisture.2" BZT1.0 BZT2.0 BZT3.0 DHT11.NC DHT22.NC LoRa.6 LoRa.7 LoRa.8 LoRa.10 LoRa.11 MAX31865.1 MAX31865.8 MCU. OLED.S1 OLED.S2 OLED.S3 OLED.S4 SIM800L.7 SIM800L.8 SIM800L.9 SIM800L.10 SIM800L.11 SIM800L.12

## Polygon pours and split planes (outlines as drawn)
GND on Bottom Layer "GND_L02_P012" (solid, pour order 12): 25.4,34.29 25.4,127.051 139.573,127.051 139.573,34.29
GND on Top Layer "GND_L01_P011" (solid, pour order 11): 25.4,34.29 25.4,127.051 139.573,127.051 139.573,34.29

## Keep-outs
Keep-Out Layer:
  the board outline again, w0.254

## Other copper
Top Layer:
  rectangle net 4V2: 107.061,97.536 109.855,104.267
  rectangle net 3V3: 69.469,88.773 71.755,91.567
  rectangle net 4V2: 108.331,104.267 109.855,111.887
  region net GND: 92.456,123.698 86.106,123.698 86.106,112.776 92.456,112.776
  region net NetC3_2: 76.581,115.189 73.533,117.729 74.803,117.729 76.454,116.078 77.216,116.078
  region net NetC3_2: 78.359,118.999 78.359,115.189 76.581,115.189
  region net 4V2: 105.537,101.346 106.934,99.949 106.934,101.473
  region net 4V2: 106.934,103.251 105.537,101.854 107.061,101.854
  region net 4V2: 106.924,104.013 106.934,104.003 106.934,95.758 124.841,95.758
  region net 3V3: 69.85,93.726 70.104,93.726 71.628,93.726 71.628,91.694 71.755,91.567 69.469,91.567 69.469,93.726
  region net 5_SW: 80.01,104.013 78.486,105.537 80.01,105.537
  region net 5_SW: 81.258,106.313 81.28,106.291 81.28,103.378 80.01,103.378 80.01,106.299
  region net 3V3: 78.232,85.725 79.756,87.249 78.232,87.249
  region net 3V3: 76.788,87.249 78.185,85.852 78.232,85.852 78.232,87.249 80.01,87.249
  region net 3V3: 68.58,89.535 68.58,87.63 69.85,87.63 71.755,89.535
  region net LED2: 54.102,85.344 52.705,83.82 52.705,85.219 52.772,85.286
  region net 4V2: 109.751,101.704 114.554,96.901 109.96,96.901
  region net GND: 64.77,70.612 67.437,70.612 67.437,67.818 64.77,67.818
  region net NetC3_2: 77.597,115.697 75.311,116.078 77.597,116.078
  region net NetC3_2: 77.978,117.602 76.835,116.459 77.978,116.459
  region net 4V2: 110.998,98.171 109.474,99.695 109.474,98.171
  region net 4V2: 101.219,120.396 101.6,120.015 101.346,120.015 101.219,120.142
  region net 4V2: 108.331,111.887 109.855,113.411 110.236,113.411 110.236,112.268 109.855,111.887
  region net 4V2: 106.924,104.013 109.099,108.057 109.22,104.394 109.601,104.013
  region net 3V3: 70.104,93.218 71.755,91.567 70.104,91.44
Bottom Layer:
  rectangle net 3V3: 62.992,66.04 69.215,67.437
  region net 3V3: 67.691,72.39 67.691,66.294 69.215,66.294 69.215,72.39
  region net 3V3: 69.088,72.39 62.992,72.39 62.992,70.993 69.088,70.993
  region net 3V3: 64.389,66.167 64.389,72.263 62.992,72.263 62.992,66.167
  region net GND: 92.456,123.698 92.456,112.903 85.979,112.903 86.106,113.03 86.106,123.698
  region net 5_SW: 86.782,107.584 88.011,106.934 85.852,106.934
  region net 5_SW: 85.852,107.696 86.487,107.061 86.487,106.934 85.217,106.934
  region net 5_SW: 84.963,106.934 88.011,106.934 88.011,104.902 84.963,104.902
  region net 5_SW: 83.566,105.41 82.423,105.41 82.423,104.521 83.566,104.521
  region net 5_SW: 85.217,106.934 82.169,106.934 82.169,104.267 90.384,104.267

## Silkscreen, mask and mechanical layers (free items; w line width, h text height)
Top Overlay:
  drawing of 268 lines, arcs and shapes, not listed
  text "GND" at 119.388,109.38 h3 r270
  text "TX" at 122.047,109.38 h3 r270
  text "RX" at 124.587,109.378 h3 r270
  text "RST" at 126.879,109.378 h3 r270
  text "VCC" at 129.548,109.378 h3 r270
  text "ANT" at 132.207,109.378 h3 r270
  text "GND" at 29.595,99.06 h1.3 r270
  text "TX" at 29.598,96.393 h1.3 r270
  text "RX" at 29.598,93.725 h1.3 r270
  text "VCC" at 29.595,91.312 h1.3 r270
  text "VCC" at 26.424,86.738 h3 r270
  text "GND" at 121.161,82.169 h1 r270
  text "DATA" at 26.416,82.039 h3 r270
  text "GND" at 138.422,81.153 h3 r90
  text "GND" at 92.583,78.49 h1.3
  text "3V3" at 95.122,78.49 h1.3
  text "SCL" at 97.79,78.49 h1.3
  text "SDA" at 100.203,78.488 h1.3
  text "DATA" at 121.158,77.215 h1 r270
  text "GND" at 26.424,76.708 h3 r270
  text "DATA" at 138.43,75.822 h3 r90
  text "VCC" at 121.161,74.548 h1 r270
  text "VCC" at 138.422,71.123 h3 r90
  text "VCC" at 27.059,70.736 h3 r270
  text "DATA" at 27.051,66.037 h3 r270
  text "GND" at 121.288,63.627 h1 r270
  text "GND" at 138.422,63.119 h3 r90
  text "GND" at 27.059,60.706 h3 r270
  text "DATA" at 121.285,58.673 h1 r270
  text "DATA" at 138.43,57.788 h3 r90
  text "VCC" at 121.288,56.006 h1 r270
  text "VCC" at 138.422,53.089 h3 r90
  text "GND" at 73.152,45.728 h3
  text "GND" at 138.422,45.72 h3 r90
  text "SWCLK" at 73.152,43.061 h3
  text "cs" at 86.995,42.986 h1.52
  text "SCLK" at 89.281,42.93 h1.3
  text "MOSI" at 91.822,42.93 h1.3
  text "MISO" at 94.362,42.93 h1.3
  text "VCC" at 96.902,42.93 h1.3
  text "GND" at 99.568,42.93 h1.3
  text "SWDIO" at 73.152,40.648 h3
  text "DATA" at 138.43,40.389 h3 r90
  text "nrst" at 73.152,37.777 h3
  text "VCC" at 138.422,35.69 h3 r90
  text "GND" at 63.373,35.437 h1.52
  text "A0" at 68.835,35.437 h1.52
  text "3V3" at 73.149,35.441 h3
  text "VCC" at 110.618,35.183 h1.3
  text "GND" at 113.03,35.183 h1.3
  text "TX" at 115.824,35.179 h1.3
  text "RX" at 118.492,35.179 h1.3
  text "cs" at 87.503,35.055 h1.52
  text "MOSI" at 89.663,35.056 h1.3
  text "MISO" at 92.203,35.056 h1.3
  text "SCLK" at 94.742,35.056 h1.3
  text "VCC" at 97.664,35.056 h1.3
  text "GND" at 100.203,35.056 h1.3

## Dimensions
25.4,127.305 to 25.4,34.29 on Mechanical 15
25.4,127.051 to 139.573,127.051 on Mechanical 15

## Text inside footprints (layer, text, board x,y; h text height)
LoRa: Top Overlay "GND" at 32.746,36.703 h2.29 r180; Top Overlay "Ra-02" at 36.292,43.353 h4.57 r90; Top Overlay "NSS" at 32.746,39.098 h2.29 r180; Top Overlay "SCK" at 32.746,46.715 h2.29 r180; Top Overlay "MOSI" at 32.746,41.765 h2.29 r180; Top Overlay "GND" at 50.74,36.814 h2.29 r180; Top Overlay "GND" at 50.74,39.227 h2.29 r180; Top Overlay "3.3V" at 50.579,41.895 h2.29 r180; Top Overlay "MISO" at 32.746,44.051 h2.29 r180; Top Overlay "RST" at 50.44,44.181 h2.29 r180; Top Overlay "GND" at 32.745,54.34 h2.29 r180
S1: Top Overlay "ON" at 42.447,119.896 h0.5 r270
"Soil Moisture": Top Overlay "VCC" at 60.833,35.437 h1.5